# KiCad board Oblique Palette 0.5 PCB Main.kicad_pcb (continued)
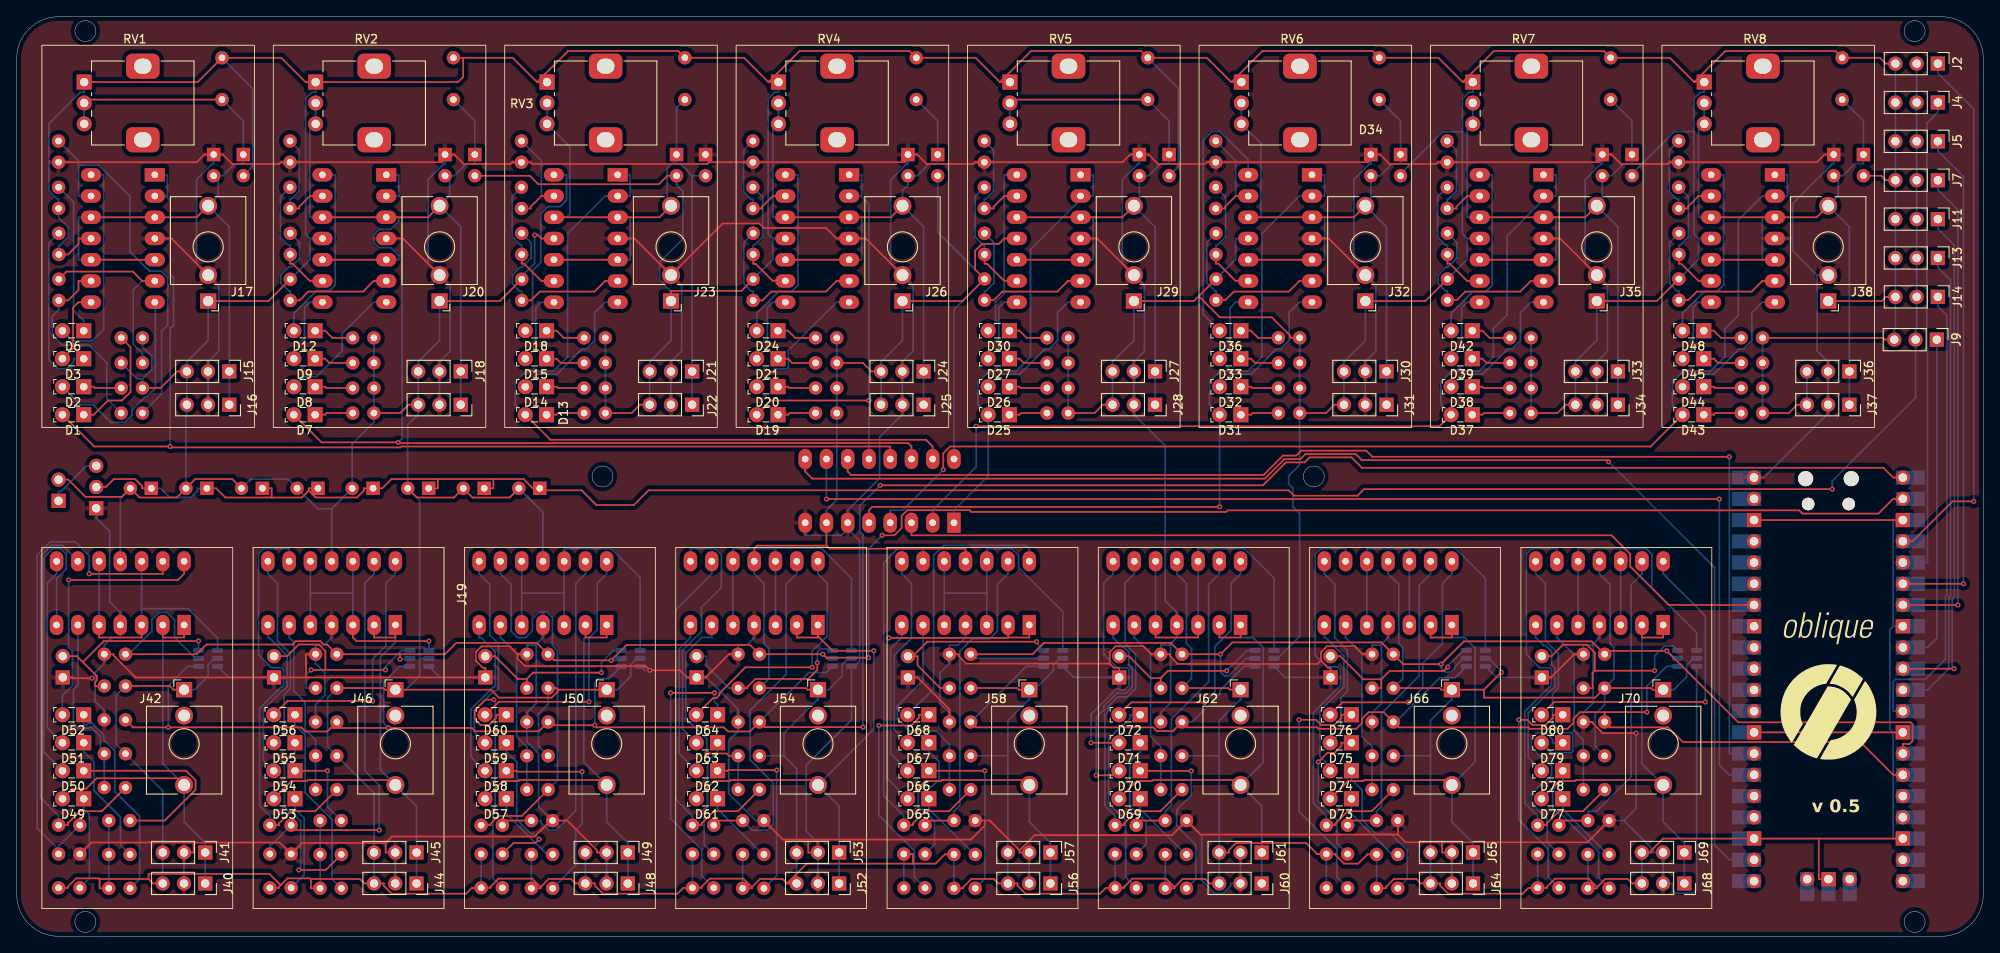
[diagram p0: board, top side]
## Routing (per net, layer and track width the routed paths; a pad name or vN(x,y) marks a point on that pad's centre or on a via; arc(x,y) is an arc through that point) (continued)
VCC: length 1314.9
  Top w0.2: 94.58,11.56 94.58,10.02 J53.2 ; 94.58,11.56 91.56,11.56 R104.1 ; 94.58,11.56 114.01,11.56 115.66,13.21 115.66,13.84 ; 119.83,10.29 121.64,12.1 138.05,12.1 R126.1 141.47,12.16 165.04,12.16 ; 119.83,10.29 119.83,10.02 J57.2 ; 119.83,10.29 116.28,13.84 115.66,13.84 ; 155.85,32.98 156.71,32.12 157,32.12 J63.1 ; 155.85,32.98 155.45,32.58 138.74,32.58 137.81,33.51 137.81,33.74 R120.2 135.61,33.74 134.66,34.69 131.3,34.69 130.6,33.98 130.6,32.61 ; 155.85,32.98 155.85,33.98 156.56,34.69 159.9,34.69 160.86,33.74 R131.2 ; 115.66,13.84 R115.1 ; J26.TN 101.47,83.47 U6.4 97.97,83.47 96.7,84.74 89.27,84.74 88.74,85.27 84.36,85.27 J23.TN 73.81,83.47 U5.4 ; R109.2 112.56,33.74 112.56,33.51 113.46,32.61 130.6,32.61 ; J17.TN 18.49,83.47 U3.4 ; 170.33,11.25 170.33,10.02 J65.2 ; 170.33,11.25 165.96,11.25 165.04,12.16 ; 170.33,11.25 187.7,11.25 R148.1 ; 165.04,12.16 R137.1 ; 130.6,32.61 131.09,32.12 131.75,32.12 J59.1 ; D40.1 190.02,93.52 ; 190.02,93.52 189.1,92.59 R56.2 169.84,92.59 169.63,92.39 164.04,92.39 162.92,93.52 162.36,93.52 ; 190.02,93.52 190.57,93.52 191.7,92.39 197.29,92.39 197.5,92.59 R64.2 215.11,92.59 216.03,93.52 D46.1 ; 34.57,30.97 J43.1 14.2,30.97 11.56,33.6 11.56,33.74 R65.2 ; 34.57,30.97 34.57,33.7 34.61,33.74 R76.2 ; 34.57,30.97 J47.1 56,32.12 55.71,32.12 54.85,32.98 54.85,34 55.53,34.68 58.92,34.68 59.86,33.74 ; 21.14,11.21 21.14,10.02 J41.2 ; 21.14,11.21 31.42,11.21 R82.1 34.12,11.17 44.08,11.17 ; 21.14,11.21 8.91,11.21 R71.1 ; D22.1 107.05,93.52 ; 107.05,93.52 106.13,92.59 R32.2 82.73,92.59 ; 107.05,93.52 107.6,93.52 108.73,92.39 114.32,92.39 114.53,92.59 R40.2 132.13,92.59 133.06,93.52 D28.1 135.26,93.52 136.39,92.39 141.98,92.39 142.18,92.59 R48.2 161.44,92.59 162.36,93.52 ; 51.74,93.52 52.29,93.52 53.42,92.39 59,92.39 59.21,92.59 R24.2 61.42,92.59 61.62,92.39 82.52,92.39 82.73,92.59 ; 51.74,93.52 50.82,92.59 R16.2 31.56,92.59 31.35,92.39 25.76,92.39 24.63,93.52 D4.1 22.43,93.52 21.51,92.59 R8.2 ; 51.74,93.52 D10.1 ; R87.2 59.86,33.74 ; 59.86,33.74 59.86,33.21 60.75,32.32 75.15,32.32 v1(75.65,31.82) 79.25,31.82 80.1,30.97 J51.1 82.4,30.97 82.4,31.03 85.11,33.74 R98.2 ; U8.4 156.78,83.47 J32.TN ; v1(193.52,24.31) 189.51,24.31 188.31,25.5 188.31,25.64 R144.2 ; D34.1 162.36,93.52 ; 82.73,92.59 82.73,93.1 D16.1 ; 44.08,11.17 44.85,11.94 61.9,11.94 63.8,13.84 R93.1 65.78,13.84 69.33,10.29 69.33,10.02 J49.2 ; 44.08,11.17 44.08,10.02 J45.2 ; U4.4 46.15,83.47 J20.TN ; J55.1 107.65,30.97 111.46,27.16 R111.2 ; J29.TN 129.12,83.47 U7.4 ; J35.TN 184.44,83.47 U9.4 ; J39.1 6.65,30.97 6.75,30.87 v1(8.97,30.87) ; R142.2 186.11,33.74 183.4,31.03 183.4,30.97 J67.1
  Bottom w0.2: R78.2 35.71,27.72 36.82,28.83 36.82,31.53 35.71,32.64 R76.2 35.71,34.84 36.73,34.84 37.63,35.74 U14.4 ; U23.3 176.82,30.97 J67.1 ; D46.1 217.13,92.41 216.99,92.41 212.22,87.64 212.22,83.47 ; J56.2 J57.2 ; D40.1 189.47,92.41 189.33,92.41 187.43,90.51 187.43,80.48 J35.TN 190.08,77.82 190.08,70 188.8,68.72 J33.2 J34.2 ; U10.4 212.22,83.47 ; U11.3 25.33,30.97 J43.1 ; D4.1 23.53,92.41 23.39,92.41 21.48,90.5 21.48,80.49 J17.TN 24.14,77.82 24.14,70 22.86,68.72 J15.2 J16.2 ; J44.2 J45.2 ; J40.2 J41.2 ; 215.14,79.09 215.14,70.04 216.46,68.72 J36.2 J37.2 216.46,62.44 216.33,62.44 208.76,54.87 U2.40 ; 215.14,79.09 212.22,82.01 212.22,83.47 ; 215.14,79.09 J38.TN ; 99.3,48.72 100.72,47.29 100.72,32.9 100.12,32.29 U17.3 99.75,25.88 94.35,20.48 94.35,12.56 95.73,11.17 J53.2 J52.2 ; 99.3,48.72 U1.6 99.3,50.97 103.11,54.78 103.11,59.72 105.83,62.44 105.83,68.72 107.11,70 107.11,77.82 J26.TN 104.44,80.5 104.44,90.49 106.36,92.41 106.5,92.41 D22.1 ; 99.3,48.72 98.55,47.97 94.22,47.97 U1.8 ; J22.2 J21.2 78.17,68.72 79.46,70 79.46,77.82 J23.TN ; J31.2 J30.2 161.15,68.72 162.43,70 162.43,77.82 J32.TN 159.78,80.47 159.78,90.52 161.68,92.41 161.81,92.41 D34.1 ; U26.4 189.13,35.74 188.38,34.99 188.38,34.84 ; R122.2 136.71,26.74 137.88,27.91 137.88,34.84 ; 188.38,34.84 188.38,27.91 187.21,26.74 R144.2 ; 188.38,34.84 187.21,34.84 R142.2 ; 61.98,34.84 62.88,35.74 U16.4 ; 61.98,34.84 62.08,34.74 62.08,27.86 60.96,26.74 R89.2 60.96,23.26 62.37,21.85 62.37,15.51 R93.1 ; 61.98,34.84 60.96,34.84 R87.2 ; R120.2 136.71,34.84 137.88,34.84 ; J47.1 50.58,30.97 U13.3 ; U25.3 200.75,5.64 200.28,5.17 198.22,5.17 197.89,5.51 197.89,6.32 J68.2 J69.2 195.58,10.02 195.58,10.31 192.05,13.84 ; R104.1 88.31,13.84 85.08,17.07 85.08,23.41 86.21,24.54 R100.2 86.21,27.16 82.4,30.97 J51.1 ; J63.1 151.57,30.97 U21.3 ; U18.4 88.13,35.74 87.23,34.84 86.21,34.84 R98.2 ; J61.2 J60.2 145.08,6.32 145.08,6.03 144.19,5.14 143.16,5.14 141.59,6.7 141.59,12.04 R126.1 ; 162.98,34.84 163.88,35.74 U24.4 ; 162.98,34.84 163.08,34.74 163.08,27.86 161.96,26.74 R133.2 ; 162.98,34.84 161.96,34.84 R131.2 ; 137.88,34.84 137.88,34.99 138.63,35.74 U22.4 138.63,38.74 137.22,40.15 137.22,58.71 133.49,62.44 J28.2 J27.2 133.49,68.72 134.77,70 134.77,77.82 J29.TN 132.12,80.48 132.12,90.51 134.02,92.41 134.16,92.41 D28.1 ; 192.05,13.84 193.52,15.31 v1(193.52,24.31) ; 192.05,13.84 R148.1 ; J64.2 J65.2 ; R67.2 10.46,26.99 9.35,28.1 9.35,30.87 ; J71.1 9.5,50.05 11.11,48.44 11.11,40.01 12.38,38.74 U12.4 12.38,35.74 11.36,35.74 10.46,34.84 R65.2 10.46,32.64 9.35,31.53 9.35,30.87 ; R111.2 111.46,26.74 110.32,27.88 110.32,31.5 111.46,32.64 R109.2 111.46,34.84 112.48,34.84 113.38,35.74 U20.4 ; U19.3 126.32,30.97 J59.1 ; D10.1 51.19,92.41 51.05,92.41 49.15,90.52 49.15,80.47 J20.TN 51.8,77.82 51.8,70 50.52,68.72 J18.2 J19.2 ; 9.35,30.87 v1(8.97,30.87) ; v1(75.65,31.82) 74.97,31.82 U15.3 ; J48.2 J49.2
/Input 1/ANALOG_IN: length 138.2
  Top w0.2: D1.2 9.26,58.59 v1(18.33,58.59) 18.44,58.48 45.84,58.48 45.95,58.59 104.38,58.59 U1.13
  Bottom w0.2: U3.1 18,91.09 18,88.55 17.79,88.55 ; U3.2 17.79,88.55 ; 17.79,88.55 18.33,88.01 18.33,79.66 18.33,79.66 18.33,79.23 18.73,78.83 18.73,73.04 18.5,72.81 18.33,72.81 v1(18.33,58.59)
/Input 2/ANALOG_IN: length 112.3
  Top w0.2: D7.2 36.43,59.08 v1(45.59,59.08) 45.68,58.99 106.52,58.99 106.92,58.59 U1.14
  Bottom w0.2: U4.2 45.66,88.55 ; 45.66,88.55 46.06,88.15 46.06,59.55 v1(45.59,59.08) ; 45.66,88.55 45.66,91.09 U4.1
/Input 3/ANALOG_IN: length 91.8
  Top w0.2: U1.15 109.46,58.59 108.66,59.4 63.77,59.4 D13.2
  Bottom w0.2: U5.1 73.32,91.09 73.32,88.55 U5.2 70.31,88.55 65.83,84.07 65.83,69.31 64.14,67.62 60.88,67.62 59.56,66.3 59.56,63.6 D13.2
/Input 4/ANALOG_IN: length 51.5
  Top w0.2: v1(101.84,64.09) 90.13,64.09 D19.2
  Bottom w0.2: 100.88,88.55 101.84,87.59 v1(101.84,64.09) U1.12 ; 100.88,88.55 U6.2 ; 100.88,88.55 100.97,88.55 100.97,91.09 U6.1
/Input 5/ANALOG_IN: length 54
  Bottom w0.2: U7.2 127.56,88.55 ; 127.56,88.55 121.14,82.13 121.14,69.31 119.45,67.62 116.22,67.62 114.87,66.27 114.87,63.61 D25.2 116.09,55.06 112,50.97 U1.1 ; 127.56,88.55 128.63,88.55 128.63,91.09 U7.1
/Input 6/ANALOG_IN: length 94.7
  Top w0.2: U1.5 101.84,50.97 102.24,51.37 v1(143.75,51.37)
  Bottom w0.2: v1(143.75,51.37) D31.2 142.54,63.6 142.54,66.3 143.85,67.62 147.11,67.62 148.8,69.31 148.8,84.07 153.28,88.55 U8.2 156.29,88.55 156.29,91.09 U8.1
/Input 7/ANALOG_IN: length 110.4
  Top w0.2: v1(114.64,61.01) 170.02,61.01 D37.2
  Bottom w0.2: D37.2 170.19,63.6 170.19,66.3 171.51,67.62 174.77,67.62 176.46,69.31 176.46,72.67 178.1,74.31 178.1,83.77 182.88,88.55 ; U9.2 182.88,88.55 ; 182.88,88.55 183.94,88.55 183.94,91.09 U9.1 ; U1.2 109.46,50.97 114.64,56.16 v1(114.64,61.01)
/Input 8/ANALOG_IN: length 142.1
  Top w0.2: v1(110.72,55.81) 110.72,57.77 111.54,58.59 195.26,58.59 D43.2
  Bottom w0.2: U10.1 211.6,91.09 211.6,88.55 U10.2 208.6,88.55 205.73,85.68 205.73,74.29 204.11,72.67 204.11,69.31 202.42,67.62 199.17,67.62 197.85,66.3 197.85,63.6 D43.2 ; U1.4 104.38,50.97 105.88,50.97 v1(110.72,55.81)
ADC: length 106.5
  Top w0.2: U1.3 106.92,47.97 190.57,47.97 192.81,45.73 192.81,44.24 197.41,39.63 U2.34
ADC_0: length 147
  Top w0.2: U1.11 99.3,55.59 99.7,55.19 149,55.19 151.32,57.5 152.91,57.5 153.5,58.09 161.27,58.09 162,57.36 v1(204.66,57.36)
  Bottom w0.2: v1(204.66,57.36) 204.66,21.85 U2.27
ADC_1: length 147.9
  Top w0.2: v1(96.76,52.3) v1(203.46,52.3)
  Bottom w0.2: U1.10 v1(96.76,52.3) ; U2.26 204.66,19.31 203.46,20.51 v1(203.46,52.3)
ADC_2: length 156
  Top w0.2: v1(190.23,56.75) 190.03,56.95 160.74,56.95 160,57.69 154,57.69 153.4,57.09 151.5,57.09 149.16,54.75 95.06,54.75 94.22,55.59 U1.9
  Bottom w0.2: v1(190.23,56.75) 202.89,44.09 202.89,10.92 204.66,9.15 U2.22
SCL_0: length 253
  Top w0.2: v1(45.8,33.14) 45.8,33.74 ; 45.8,33.74 51.17,33.74 52.54,35.1 62.14,35.1 R87.1 64.23,33.01 v1(71.04,33.01) 72.88,34.86 87.63,34.86 R98.1 v1(96.33,33.74) 96.75,33.32 v1(101.79,33.32) ; 45.8,33.74 R76.1 37.09,34.9 36.98,34.9 36.98,34.9 36.68,34.9 36.28,35.3 33.33,35.3 33.09,35.07 33.09,34.9 22.66,34.9 21.5,33.74 R65.1 ; U2.2 224.24,52.33 222.47,50.57 213.4,50.57 213.02,50.95 144.72,50.95 144.54,50.77 114.04,50.77 113.84,50.97 106.42,50.97 105.74,50.29 105.74,48.84 104.87,47.97 v1(103.41,47.97)
  Bottom w0.2: R65.1 13.39,33.74 16.15,36.5 16.15,37.9 17,38.75 17.93,38.75 18.87,37.8 18.87,35.73 21.37,33.24 U11.5 ; 46.98,33.24 46.88,33.14 v1(45.8,33.14) ; v1(101.79,33.32) 101.79,46.35 v1(103.41,47.97) ; v1(96.33,33.74) 96.83,33.24 U17.5 ; U15.5 72,33.01 v1(71.04,33.01)
SCL_1: length 167
  Top w0.2: 189.75,26.81 R144.1 190.4,24.99 197.34,24.99 199.1,23.23 220.32,23.23 224.24,19.31 U2.15 ; 189.75,26.81 186.81,26.81 186.03,26.03 186.03,25.53 185.32,24.82 180.81,24.82 180.64,24.99 165.15,24.99 R133.1 163.33,26.81 161.56,26.81 160.78,26.03 160.78,25.53 160.07,24.82 155.56,24.82 155.39,24.99 139.9,24.99 R122.1 138.15,24.54 136.25,24.54 135.8,24.99 114.65,24.99 R111.1 ; 189.75,26.81 v1(194.81,26.81)
  Bottom w0.2: v1(194.81,26.81) 194.81,29.94 197.16,32.29 U25.4 ; 122.72,32.29 120.65,32.29 R111.1 ; R133.1 164.79,25.64 170.07,30.92 171.85,30.92 173.22,32.29 ; U21.4 146.66,32.29 143.79,29.42 143.79,28.96 140.47,25.64 R122.1
SDA_0: length 286.1
  Top w0.2: 37.54,24.93 R78.1 ; 37.54,24.93 v1(44.42,24.93) 54.39,24.93 54.8,24.52 62.38,24.52 R89.1 63.9,25.24 v1(69.08,25.24) 69.33,24.99 84.5,24.99 84.99,24.5 87.61,24.5 R100.1 89.37,25.02 v1(101.13,25.02) ; 37.54,24.93 37.11,24.5 34.49,24.5 34,24.99 v1(18.11,24.99) 13.9,24.99 R67.1 ; v1(103.19,53.95) 148.92,53.95 151.67,56.69 153.9,56.69 154.5,57.29 159.5,57.29 160.75,56.04 223.07,56.04 224.24,54.87 U2.1
  Bottom w0.2: v1(69.08,25.24) 69.08,30.4 69.51,30.83 70.76,30.83 U15.4 ; v1(103.19,53.95) 100.74,51.49 100.74,48.43 101.13,48.04 v1(101.13,25.02) ; U11.4 20.45,32.29 18.11,29.95 v1(18.11,24.99) ; R100.1 94.66,31.55 96.73,31.55 U17.4 ; v1(44.42,24.93) 43.85,25.5 43.85,30.41 45.73,32.29 46.98,32.29
SDA_1: length 147.7
  Top w0.2: U2.14 225.39,23 226.18,23 226.54,23.36 226.54,25.36 226.31,25.6 205.73,25.6 v1(197.18,34.15) 190.16,34.15 R142.1 188.21,35.28 172.94,35.28 v1(170.21,32.55) 165.69,32.55 R131.1 163.09,35.15 145.26,35.15 v1(143.85,33.74) R120.1 137.89,35.1 122.74,35.1 121.39,33.74 R109.1
  Bottom w0.2: 122.72,33.24 114.5,33.24 R109.1 ; v1(143.85,33.74) 143.85,31.63 144.34,31.14 144.83,31.14 146.93,33.24 U21.5 ; v1(197.18,34.15) 198.09,33.24 U25.5 ; v1(170.21,32.55) 170.21,32.13 170.75,31.59 171.34,31.59 171.89,32.14 171.89,32.25 172.87,33.24 173.22,33.24
SERVO_1: length 64.6
  Top w0.2: v1(233.87,52.02) 231.31,52.02 226.54,47.25 U2.4
  Bottom w0.2: J2.1 229.58,103.24 233.87,98.95 v1(233.87,52.02)
SERVO_2: length 58.6
  Bottom w0.2: U2.5 228.34,44.71 228.34,70.32 228.27,70.4 228.27,97.28 229.58,98.59 J4.1
SERVO_3: length 61.4
  Top w0.2: U2.6 v1(232.64,42.17)
  Bottom w0.2: J5.1 229.58,93.94 232.64,90.88 v1(232.64,42.17)
SERVO_4: length 58.4
  Top w0.2: U2.7 v1(231.97,39.63)
  Bottom w0.2: v1(231.97,39.63) 231.97,86.9 229.58,89.29 J7.1
SERVO_5: length 40.2
  Bottom w0.2: U2.9 228.34,34.55 229.45,35.66 J9.1
SERVO_6: length 60.9
  Top w0.2: U2.10 v1(231.51,32.01)
  Bottom w0.2: J11.1 229.58,84.64 231.54,82.67 231.54,40.62 231.29,40.36 231.29,32.24 v1(231.51,32.01)
SERVO_7: length 56.4
  Bottom w0.2: U2.11 228.34,29.47 230.88,32.01 230.88,40.52 231.08,40.72 231.08,78.48 229.58,79.99 J13.1
SERVO_8: length 55.9
  Bottom w0.2: J14.1 229.58,75.34 230.64,74.28 230.64,40.85 230.48,40.69 230.48,33.14 228.08,30.74 224.52,30.74 224.24,30.46 224.24,26.93 U2.12
V_SERVO: length 278.3
  Top w0.2: 50.32,54.69 56.96,54.69 ; 50.32,54.69 50.32,53.59 C5.1 ; 50.32,54.69 44.78,54.69 43.68,53.59 C7.1 41.48,53.59 41.48,53.31 40.65,52.49 35.72,52.49 34.9,53.31 ; 56.96,54.69 60.57,54.69 61.67,53.59 ; 56.96,54.69 56.96,53.59 C3.1 ; C6.1 23.82,53.59 24.92,52.49 30.46,52.49 ; C1.1 61.67,53.59 ; 61.67,53.59 61.92,53.35 67.5,53.35 69.26,51.59 73.74,51.59 75.5,53.35 152,53.35 152.65,52.7 160.22,52.7 161,53.48 v1(216.95,53.48) ; J71.2 10.65,53.74 11.6,54.69 14.15,54.69 14.98,53.87 14.98,53.59 C8.1 ; 34.9,53.31 34.07,52.49 30.46,52.49 ; 34.9,53.31 34.9,53.59 C2.1 ; 30.46,52.49 30.46,53.59 C4.1
  Bottom w0.2: C8.1 17.18,53.59 18.28,52.49 20.79,52.49 21.62,53.31 21.62,53.59 C6.1 ; v1(216.95,53.48) 216.95,54.47 226.91,64.42 J9.2 226.91,72.52 227.04,72.65 J14.2 J13.2 J11.2 J7.2 J5.2 J4.2 J2.2
Net-(D1-K): length 13.7
  Top w0.2: D1.1 9.2,62.39 10.9,64.09 12.58,64.09 13.6,65.11 13.6,70.48 R1.1
Net-(D2-A): length 25.3
  Bottom w0.2: D2.2 7.61,63.59 9.12,63.59 11.24,61.46 12.92,61.46 13.75,62.3 13.75,62.93 15.31,64.49 15.5,64.49 16.57,65.56 16.57,75.78 U3.7
Net-(D2-K): length 4.6
  Top w0.2: D2.1 9.2,65.74 9.35,65.59 R3.1
Net-(D3-A): length 9.1
  Top w0.2: D3.2 6.73,70.36 6.73,75.2 7.38,75.85 U3.8
Net-(D3-K): length 21
  Bottom w0.2: D3.1 6.8,69.09 6.8,68.71 5.97,67.89 4.9,67.89 3.82,68.97 3.82,82.89 R5.1
Net-(D4-A): length 91.2
  Top w0.2: U3.12 U3.3 21.49,86.01 J17.T ; C9.1 8.47,100.09 RV1.2 ; U3.10 U3.5
  Bottom w0.2: U3.12 7.38,86.01 7.38,80.93 U3.10 ; 24.08,90.98 24.63,90.98 26.07,92.41 27.08,92.41 D5.1 27.08,97.54 C9.1 ; 24.08,90.98 D4.2 ; 24.08,90.98 24.08,88.59 J17.T 25.4,84.87 J15.1 J16.1 ; RV1.3 RV1.2
Net-(D6-A): length 26
  Bottom w0.2: D6.2 6.66,71.24 9.04,71.24 10.38,72.58 10.38,91.09 U3.14
Net-(D6-K): length 18.4
  Bottom w0.2: R7.1 6.8,87.8 6.8,74.84 8,73.64 D6.1
Net-(D7-K): length 4.6
  Top w0.2: D7.1 36.86,62.39 37.06,62.59 R9.1
Net-(D8-A): length 16.4
  Bottom w0.2: D8.2 34.33,66.95 35.82,66.95 38.89,70.02 38.89,72.08 42.66,75.85 U4.7
Net-(D8-K): length 4.6
  Top w0.2: D8.1 36.86,65.74 37.01,65.59 R11.1
Net-(D9-A): length 9.1
  Bottom w0.2: U4.8 35.04,75.85 34.39,75.2 34.39,70.36 D9.2
Net-(D9-K): length 4.7
  Top w0.2: D9.1 36.86,69.09 37.36,68.59 R13.1
Net-(D10-A): length 91.7
  Top w0.2: J20.T 49.15,86.01 U4.3 U4.12 ; U4.10 U4.5
  Bottom w0.2: U4.3 45.66,86.01 45.66,85.51 44.72,84.57 43.3,84.57 42.66,83.93 42.66,83.01 43.3,82.37 44.72,82.37 45.66,81.43 45.66,80.93 U4.5 ; J19.1 J18.1 53.06,84.87 J20.T 51.74,88.59 51.74,90.98 ; U4.12 35.04,86.01 35.04,96.5 RV2.3 RV2.2 ; D10.2 51.74,90.98 ; 51.74,90.98 52.29,90.98 53.73,92.41 54.74,92.41 D11.1 54.74,97.54 C10.1
Net-(D12-A): length 23.1
  Bottom w0.2: D12.2 33.12,74.53 35.81,77.22 37.38,77.22 38.04,77.88 38.04,91.09 U4.14
Net-(D12-K): length 4.8
  Top w0.2: D12.1 36.86,72.44 37.71,71.59 R15.1
Net-(D13-K): length 4.6
  Top w0.2: R17.1 64.72,62.59 64.52,62.39 D13.1
Net-(D14-A): length 17.2
  Bottom w0.2: U5.7 70.31,75.85 69.07,74.61 69.07,71.27 68.06,70.26 67.56,70.26 64.52,67.22 62.25,67.22 D14.2
Net-(D14-K): length 4.6
  Top w0.2: R19.1 64.67,65.59 64.52,65.74 D14.1
Net-(D15-A): length 9.1
  Bottom w0.2: U5.8 62.69,75.85 62.05,75.2 62.05,70.36 D15.2
Net-(D15-K): length 4.7
  Top w0.2: R21.1 65.02,68.59 64.52,69.09 D15.1
Net-(D16-A): length 92.5
  Top w0.2: U5.12 U5.3 76.81,86.01 J23.T ; U5.10 U5.5
  Bottom w0.2: RV3.2 RV3.3 66.1,94.46 66.1,86.41 65.7,86.01 U5.12 ; 80.71,90.98 D16.2 ; 80.71,90.98 79.28,92.41 78.84,92.41 78.84,92.96 ; 80.71,90.98 J21.1 J22.1 ; U5.5 73.32,80.93 73.32,86.01 U5.3 ; 78.84,92.96 77.73,91.86 77.73,87.85 J23.T ; 78.84,92.96 D17.1 78.84,99.09 C11.1
Net-(D18-A): length 23
  Bottom w0.2: U5.14 65.7,91.09 65.7,88.05 64.92,87.28 63.49,87.28 62.63,86.43 62.63,80.61 61.64,79.62 61.64,73.31 D18.2
Net-(D18-K): length 4.8
  Top w0.2: R23.1 65.37,71.59 64.52,72.44 D18.1
Net-(D19-K): length 4.6
  Top w0.2: R25.1 92.37,62.59 92.17,62.39 D19.1
Net-(D20-A): length 16.4
  Bottom w0.2: D20.2 90.58,67.89 92.07,67.89 92.2,68.02 92.2,70.08 97.97,75.85 U6.7
Net-(D20-K): length 4.6
  Top w0.2: D20.1 92.17,65.74 92.32,65.59 R27.1
Net-(D21-A): length 9.1
  Bottom w0.2: U6.8 90.35,75.85 89.7,75.2 89.7,70.36 D21.2
Net-(D21-K): length 4.7
  Top w0.2: D21.1 92.17,69.09 92.67,68.59 R29.1
Net-(D22-A): length 87.3
  Top w0.2: J26.T 104.47,86.01 U6.3 U6.12 ; U6.10 U6.5
  Bottom w0.2: C12.1 110.05,97.54 D23.1 110.05,92.41 109.04,92.41 107.6,90.98 D22.2 106.5,89.87 105.85,89.22 J26.T 108.37,84.87 J24.1 J25.1 ; U6.5 100.97,80.93 100.97,86.01 U6.3 ; U6.12 90.35,86.01 90.35,96.5 RV4.3 RV4.2
Net-(D24-A): length 23.1
  Bottom w0.2: D24.2 88.43,74.53 91.02,77.12 92.57,77.12 93.35,77.9 93.35,91.09 U6.14
Net-(D24-K): length 4.8
  Top w0.2: D24.1 92.17,72.44 93.02,71.59 R31.1
Net-(D25-K): length 4.6
  Top w0.2: D25.1 119.83,62.39 120.03,62.59 R33.1
Net-(D26-A): length 17.2
  Bottom w0.2: U7.7 125.63,75.85 124.38,74.61 124.38,71.27 123.38,70.26 122.88,70.26 119.84,67.22 117.57,67.22 D26.2
Net-(D26-K): length 4.6
  Top w0.2: D26.1 119.83,65.74 119.98,65.59 R35.1
Net-(D27-A): length 9.1
  Bottom w0.2: U7.8 118.01,75.85 117.36,75.2 117.36,70.36 D27.2
Net-(D27-K): length 4.7
  Top w0.2: R37.1 120.33,68.59 119.83,69.09 D27.1
Net-(D28-A): length 91
  Top w0.2: J29.T 132.12,86.01 U7.3 U7.12 ; C13.1 119.1,100.09 RV5.2 ; U7.10 U7.5
  Bottom w0.2: C13.1 137.71,97.54 D29.1 137.71,92.41 136.7,92.41 135.26,90.98 D28.2 134.16,88.04 J29.T 136.03,84.87 J27.1 J28.1 ; RV5.3 RV5.2 ; U7.3 128.63,86.01 128.63,80.93 U7.5
Net-(D30-A): length 20.9
  Bottom w0.2: D30.2 116.96,73.31 116.96,75.83 118.01,76.88 118.01,91.09 U7.14
Net-(D30-K): length 4.8
  Top w0.2: R39.1 120.68,71.59 119.83,72.44 D30.1
Net-(D31-K): length 4.6
  Top w0.2: D31.1 147.49,62.39 147.69,62.59 R41.1
Net-(D32-A): length 17.2
  Bottom w0.2: U8.7 153.28,75.85 152.04,74.61 152.04,71.27 151.03,70.26 150.54,70.26 147.49,67.22 145.22,67.22 D32.2
Net-(D32-K): length 4.6
  Top w0.2: R43.1 147.64,65.59 147.49,65.74 D32.1
Net-(D33-A): length 9.1
  Bottom w0.2: D33.2 145.01,70.36 145.01,75.2 145.66,75.85 U8.8
Net-(D33-K): length 4.7
  Top w0.2: R45.1 147.99,68.59 147.49,69.09 D33.1
Net-(D34-A): length 88
  Top w0.2: U8.12 U8.3 159.78,86.01 J32.T ; U8.10 U8.5
  Bottom w0.2: C14.1 165.36,97.54 D35.1 165.36,92.41 164.35,92.41 162.92,90.98 D34.2 161.81,88.04 J32.T 163.69,84.87 J30.1 J31.1 ; U8.3 156.29,86.01 156.29,80.93 U8.5 ; RV6.2 RV6.3 148.67,94.86 148.67,86.01 U8.12
Net-(D36-A): length 32.6
  Bottom w0.2: D36.2 141.77,74.41 141.77,95.21 142.85,96.28 143.76,96.28 147.16,92.88 U8.14
Net-(D36-K): length 4.8
  Top w0.2: D36.1 147.49,72.44 148.34,71.59 R47.1
Net-(D37-K): length 4.6
  Top w0.2: R49.1 175.34,62.59 175.14,62.39 D37.1
Net-(D38-A): length 17.2
  Bottom w0.2: U9.7 180.94,75.85 179.7,74.61 179.7,71.27 178.69,70.26 178.19,70.26 175.15,67.22 172.88,67.22 D38.2
Net-(D38-K): length 4.6
  Top w0.2: D38.1 175.14,65.74 175.29,65.59 R51.1
Net-(D39-A): length 9.1
  Bottom w0.2: U9.8 173.32,75.85 172.67,75.2 172.67,70.36 D39.2
Net-(D39-K): length 4.7
  Top w0.2: D39.1 175.14,69.09 175.64,68.59 R53.1
Net-(D40-A): length 87.3
  Top w0.2: U9.12 U9.3 187.44,86.01 J35.T ; U9.10 U9.5
  Bottom w0.2: C15.1 193.02,97.54 D41.1 193.02,92.41 192.01,92.41 190.57,90.98 D40.2 189.47,88.04 J35.T 191.34,84.87 J33.1 J34.1 ; U9.3 183.94,86.01 183.94,80.93 U9.5 ; RV7.2 RV7.3 173.32,96.5 173.32,86.01 U9.12
Net-(D42-A): length 23.1
  Bottom w0.2: U9.14 176.32,91.09 176.32,77.88 175.56,77.12 174,77.12 171.4,74.53 D42.2
Net-(D42-K): length 4.8
  Top w0.2: D42.1 175.14,72.44 175.99,71.59 R55.1
Net-(D43-K): length 4.6
  Top w0.2: D43.1 202.8,62.39 203,62.59 R57.1
Net-(D44-A): length 17.2
  Bottom w0.2: D44.2 200.54,67.22 202.81,67.22 205.85,70.26 206.35,70.26 207.35,71.27 207.35,74.61 208.6,75.85 U10.7
Net-(D44-K): length 4.6
  Top w0.2: R59.1 202.95,65.59 202.8,65.74 D44.1
Net-(D45-A): length 9.1
  Bottom w0.2: 202.48,75.85 200.98,75.85 200.33,75.2 200.33,70.36 D45.2
Net-(D45-K): length 4.7
  Top w0.2: D45.1 202.8,69.09 203.3,68.59 R61.1
Net-(D46-A): length 87.5
  Top w0.2: 202.48,80.93 U10.5 ; 202.48,86.01 U10.3 215.09,86.01 J38.T
  Bottom w0.2: U10.5 208.6,80.93 208.6,86.01 U10.3 ; D46.2 217.68,90.98 ; 217.68,90.98 218.23,90.98 219.67,92.41 220.68,92.41 D47.1 220.68,97.54 C16.1 ; 217.68,90.98 217.68,88.59 J38.T 219,84.87 J36.1 J37.1 ; RV8.2 RV8.3 200.98,96.5 200.98,86.01 202.48,86.01
Net-(D48-A): length 23.1
  Bottom w0.2: 202.48,91.09 203.98,91.09 203.98,77.92 203.18,77.12 201.65,77.12 199.06,74.53 D48.2
Net-(D48-K): length 4.8
  Top w0.2: R63.1 203.65,71.59 202.8,72.44 D48.1
Net-(D49-A): length 54.5
  Top w0.2: J42.T 19.2,18.9 9.54,18.9 8.29,17.65 6.66,17.65 D49.2 ; U12.1 20,35.74 17.46,35.74 U12.2
  Bottom w0.2: J40.1 J41.1 22.52,11.17 20,13.7 J42.T 17.46,20.64 U12.2
Net-(D49-K): length 11.4
  Bottom w0.2: D49.1 8,15.25 8.68,14.57 8.68,6.93 R72.1
Net-(D50-A): length 38.7
  Bottom w0.2: U12.7 4.76,42.79 5.9,43.93 5.9,45.69 5.23,46.37 4.3,46.37 3.25,45.32 3.25,22.01 D50.2
Net-(D50-K): length 24.3
  Top w0.2: R73.1 17.68,13.84 21.37,17.53 21.37,18.68 20.25,19.8 D50.1
Net-(D51-A): length 22.9
  Bottom w0.2: U12.8 4.76,43.36 3.65,42.25 3.65,24.96 D51.2
Net-(D51-K): length 15.7
  Bottom w0.2: D51.1 8,21.95 8.15,21.95 9.2,20.9 9.2,17.45 12.4,14.25 12.4,10.93 R74.1
Net-(D52-A): length 32.4
  Top w0.2: v1(6.2,42.63) 19.27,42.63 20,43.36 U12.14
  Bottom w0.2: D52.2 5.46,28.8 6.66,30 6.66,34.09 6.2,34.55 v1(6.2,42.63)
Net-(D52-K): length 24.9
  Bottom w0.2: D52.1 8,25.3 8,25.3 8.44,25.3 8.64,25.5 8.97,25.5 10.41,24.06 10.41,23.5 11.73,22.17 11.73,17.3 14.68,14.35 14.68,6.88 R75.1